# KiCad board Z3660_v022.kicad_pcb (continued)
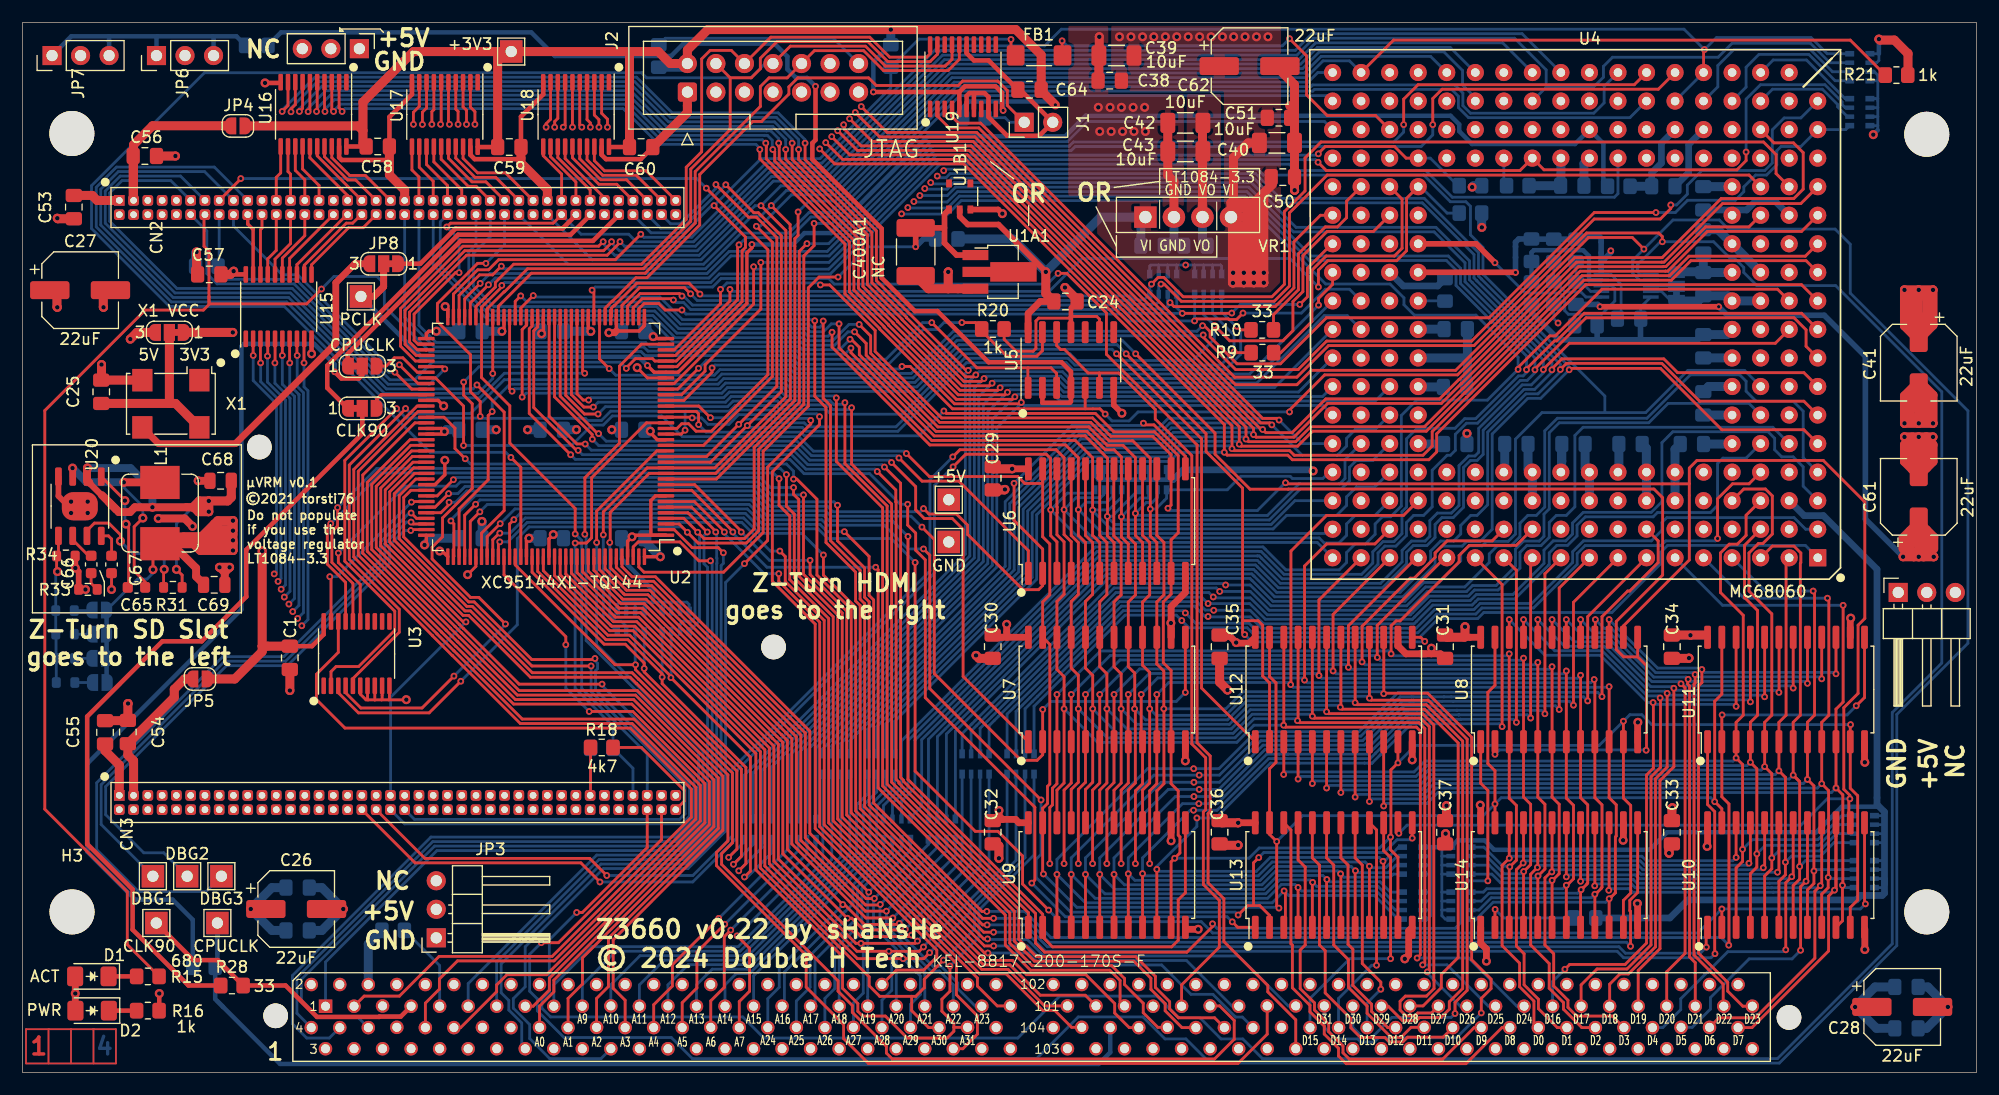
[diagram p0: board, top side]
## Routing (per net, layer and track width the routed paths; a pad name or vN(x,y) marks a point on that pad's centre or on a via; arc(x,y) is an arc through that point) (continued)
+5V: length 287.7
  Top w0.25: R31.2 14.21,44.27 v1(13.71,44.77)
  Top w0.4: 7.08,51.37 7.69,50.76
  Top w0.5: v1(91.08,71.24) 86.87,75.46 84.13,75.46 83.42,76.17 U1B1.2 ; v2(140.41,68.14) v2(150.98,68.14) ; 5.96,52.49 5.96,52.46 ; 7.05,51.37 7.08,51.37
  Top w0.55: 7.05,51.37 7.04,51.37 5.96,52.46 5.96,52.46
  Top w0.6: D1.2 4.7,8.54 v1(4.7,7.03) 4.7,5.52 D2.2 ; 86.61,22.55 86.64,22.53 87.24,22.53 ; C30.1 86.56,38.73 87.6,38.73 ; v1(86.92,23.32) 86.92,22.84 87.24,22.53 ; 129.79,38.73 128.83,38.73 128.82,38.73 128.35,38.73 ; U14.24 129.79,23.76 v1(129.75,23.8) ; 87.6,38.73 U7.24 ; 87.6,38.73 v1(87.6,39.88) ; 87.24,22.53 88.39,22.53 88.7,22.22 89.54,22.22 ; C29.1 86.43,53.85 86.43,53.72 89.54,53.72 ; C35.1 106.68,38.8 107.48,38.8 v1(108.03,38.26) 108.08,38.21 109.2,38.21 109.73,38.73 ; v1(108.2,22.22) 108.21,22.22 U13.24 ; 149.99,22.22 149.99,20.16 v1(149.95,20.12) ; U5.14 89.51,67.53 90.59,68.61 C24.1 ; 149.79,38.93 149.99,38.73
  Top w0.7: 5.96,52.49 5.74,52.71 5.74,53.83 ; 8.32,50.13 7.08,51.37 ; 8.32,50.13 7.69,50.76 ; 8.32,50.13 8.58,49.87 9.57,49.87 10,50.3 v1(11.57,50.3) 14.59,50.3 ; 14.59,50.3 15.19,50.3 15.63,49.86 16.54,49.86 v1(16.59,49.91) 16.19,50.3 14.59,50.3
  Top w0.8: 86.43,53.72 v1(88.09,53.72) ; 86.43,53.72 86.23,53.92 86.43,53.72 ; C40.1 109.09,82.72 107.78,81.41 107.78,77.6 107.57,77.39 ; 107.57,77.39 VR1.4 ; 107.57,77.39 109.6,77.39 ; VR1.4 108.46,77.01 108.71,77.01 ; VR1.4 108.84,76.12 ; VR1.4 108.33,75.36 108.33,71.55 v1(108.71,71.17) ; VR1.4 107.7,76.12 107.7,72.56 ; 109.6,70.66 v1(109.6,70.28) ; 109.6,70.66 v1(109.6,71.17) ; 109.6,70.66 110.11,71.17 ; v1(109.6,70.28) v1(110.49,70.28) 110.49,78.28 ; v1(109.6,70.28) v1(108.71,70.28) ; 169.42,46.15 169.48,46.21 169.48,48.28 ; C33.1 146.81,23.52 v1(146.85,23.56) ; 107.7,72.56 107.7,70.28 ; 107.7,72.56 107.7,70.29 v1(107.74,70.25) 107.76,70.28 v1(108.71,70.28) ; 169.23,45.89 169.48,46.15 ; 169.23,45.89 v1(170.12,45.89) ; 169.23,45.89 168.34,45.89 ; v1(108.71,71.17) 109.6,72.06 ; v1(108.71,71.17) v1(109.6,71.17) ; v1(108.71,71.17) v1(108.71,70.28) ; v1(108.71,71.17) v1(107.76,71.17) ; 108.97,76.75 108.71,77.01 ; 108.71,77.01 108.33,77.39 ; 109.86,71.8 109.86,77.64 ; 109.86,77.64 109.6,77.39 ; 109.86,77.64 111.23,79.02 111.23,79.68 ; 22.3,14.55 20.3,14.55 ; v1(108.71,70.28) v1(109.6,71.17) ; C68.1 18.59,51.19 18.26,50.86 v1(16.59,50.86) ; 108.97,71.42 108.97,77.26 108.84,77.39 ; v1(128.4,39.67) 128.4,38.79 128.35,38.73 126.81,38.73 C31.1 ; 168.15,46.4 168.02,46.53 168.02,48.21 ; 109.6,72.06 v1(110.49,71.17) v1(109.6,71.17) ; 109.6,72.06 109.6,77.39 ; 8.62,77.6 6.65,77.6 6.2,78.05 C53.1 ; v1(108.2,22.22) 108.2,22.22 106.75,22.22 106.55,22.42 C36.1 ; C24.1 91.08,69.33 v1(91.08,71.24) ; C55.1 7.35,28.63 8.62,27.36 CN3.1 ; 168.78,48.97 167.39,47.58 167.39,46.59 ; 168.78,48.97 v1(168.78,45.89) ; 168.78,48.97 170.12,47.64 170.12,46.59 ; 107.76,70.48 107.79,70.46 108.71,70.46 ; 15.19,50.3 15.75,50.86 v1(16.59,50.86) ; v1(16.59,50.86) v1(16.59,49.91) ; 168.34,45.89 v1(167.39,45.89) ; 168.34,45.89 168.02,46.21 ; 165.12,5.84 v1(163.12,5.84) ; C34.1 149.79,38.93 ; v1(107.76,71.17) 108.47,70.46 ; v1(107.76,71.17) 107.88,71.17 108.97,72.25 ; JP11.3 10.19,65.86 v1(9.6,65.26) ; 3.07,69.62 3.07,68.12 v1(3.1,68.09) ; 126.75,22.36 v1(126.75,23.74)
  Bottom w0.25: v1(16.59,50.86) 15.72,50.86 13.71,48.85 v1(13.71,44.77)
  Bottom w0.5: v2(150.98,68.14) 151.74,67.38 160.38,67.38 164.03,63.72 164.03,49.25 v1(167.39,45.89) ; R26.2 140.21,68.35 v2(140.41,68.14)
  Bottom w0.7: v1(11.57,50.3) 11.57,51.84 9.62,53.79 v1(5.8,53.79)
  Bottom w0.8: C13.1 22.2,16.45 20.3,14.55 22.2,12.64 C11.1 ; C14.1 165.02,3.93 v1(163.12,5.84) 164.9,7.62 C12.1 ; C52.1 99.55,75.72 VR1.1 95.96,76.12 v1(91.08,71.24) 88.15,74.17 R2.2
  vias: v1(20.32,14.55) v1(97.64,92.16) v1(98.67,92.16) v1(99.69,92.16) v1(100.7,92.16) v1(101.73,92.16) v1(102.74,92.16) v1(103.76,92.16) v1(104.77,92.16) v1(105.79,92.16) v1(106.81,92.16) v1(107.8,92.16) v1(108.82,92.16) v1(109.84,92.16) v1(110.86,92.16) v1(148.46,38.91)
GNDA: length 8.6
  Bottom w0.5: NT1.1 140.51,74.24 140.36,74.39 138.51,74.39 R25.1 R23.1 134.33,74.16 R24.1 133.18,74.17 132.89,73.88 NT3.1
040A0: length 41.5
  Top w0.25: U2.121 43.86,45.17 52.74,36.29 v2(54.57,36.29) 54.57,35.85 63.59,26.82 63.59,19.88 v2(62.85,19.15)
  Bottom w0.25: v2(54.57,36.29) 54.54,36.32 RN22.6 ; v2(62.85,19.15) 64.24,20.53 RN10.4
040A1: length 42.7
  Top w0.25: v2(63.28,18.53) 63.99,19.24 63.99,26.99 55.34,35.64 v2(55.34,35.95) 55.34,36.44 53.66,38.11 51.77,38.11 45.36,44.53 U2.124
  Bottom w0.25: v2(63.28,18.53) 65.04,20.28 RN10.3 ; RN22.5 v2(55.34,35.95)
040A2: length 44.8
  Top w0.25: v2(63.76,17.95) 64.39,18.58 64.39,27.15 56.94,34.61 v2(56.94,35.18) 56.94,35.46 53.89,38.51 51.93,38.51 45.86,44.59 U2.125
  Bottom w0.25: RN21.8 v2(56.94,35.18) ; RN10.2 65.84,20.03 v2(63.76,17.95)
040A3: length 46.1
  Top w0.25: U2.126 46.36,44.66 52.1,38.91 54.05,38.91 57.72,35.25 v2(57.72,35.13) 64.79,28.06 64.79,17.92 v2(64.26,17.39)
  Bottom w0.25: RN21.7 57.74,35.16 v2(57.72,35.13) ; v2(64.26,17.39) 64.53,17.39 66.64,19.51 RN10.1
040A4: length 21.8
  Top w0.25: v2(61.97,13.72) 57.85,9.59 57.85,7.69 56.19,6.03 56.19,4 CN1.52
  Bottom w0.25: v2(61.97,13.72) 68.24,19.98 RN9.4
040A5: length 21
  Top w0.25: CN1.56 58.72,6.21 60.03,7.52 60.03,10.72 v2(62.51,13.2)
  Bottom w0.25: RN9.3 69.04,19.72 v2(62.51,13.2)
040A6: length 20.3
  Top w0.25: v2(63.04,12.67) 62.47,12.09 62.47,7.58 61.26,6.37 CN1.60
  Bottom w0.25: v2(63.04,12.67) 69.84,19.46 RN9.2
040A7: length 20.5
  Top w0.25: CN1.64 63.8,6.32 64.72,7.23 64.72,11.04 v2(63.6,12.16)
  Bottom w0.25: RN9.1 70.64,19.2 v2(63.6,12.16)
040A8: length 38.2
  Bottom w0.25: RN8.4 71.24,18.73 63.71,11.2 50.69,11.2 47.3,7.8 47.3,5.91 CN1.33
040A9: length 36.3
  Bottom w0.25: RN8.3 72.04,18.96 63.87,10.8 52.83,10.8 49.83,7.8 CN1.37
040A10: length 34.4
  Bottom w0.25: RN8.2 72.84,19.2 64.04,10.4 54.97,10.4 52.37,7.8 CN1.41
040A11: length 32.6
  Bottom w0.25: RN8.1 73.64,19.43 64.2,10 57.11,10 54.91,7.8 CN1.45
040A12: length 31
  Bottom w0.25: CN1.49 57.45,7.8 59.25,9.6 64.37,9.6 74.24,19.46 74.24,23.81 75.24,24.81 RN7.4
040A13: length 29.1
  Bottom w0.25: CN1.53 59.99,7.8 61.39,9.2 64.53,9.2 74.84,19.5 74.84,23.77 76.04,24.97 RN7.3
040A14: length 27.3
  Bottom w0.25: RN7.2 76.84,25.16 75.44,23.76 75.44,19.53 64.7,8.8 63.53,8.8 62.53,7.8 CN1.57
040A15: length 25.9
  Bottom w0.25: RN7.1 77.64,25.32 76.04,23.72 76.04,19.57 65.08,8.61 65.08,5.9
040A16: length 18.6
  Bottom w0.25: CN1.65 67.82,6.11 67.82,8.94 73.18,14.31 73.21,14.31 73.91,15.01 73.91,16.7 76.64,19.42 RN6.4
040A17: length 17.9
  Bottom w0.25: RN6.3 77.44,19.65 74.31,16.53 74.31,13.78 70.55,10.01 70.55,6.3 CN1.69
040A18: length 17.2
  Bottom w0.25: RN6.2 78.24,19.89 74.71,16.37 74.71,12.5 72.7,10.49 72.7,5.91 CN1.73
040A19: length 56.6
  Top w0.25: U2.140 53.36,45.02 54.26,44.12 56.34,44.11 70.08,30.37 70.08,21.3 v2(75.33,16.05)
  Bottom w0.25: RN6.1 79.04,19.77 75.33,16.06 v2(75.33,16.05) 75.24,15.96 75.24,6.75 75.23,6.75 CN1.77
040A20: length 59.3
  Top w0.25: v2(75.82,15.49) 75.81,15.47 75.09,15.47 69.68,20.88 69.68,30.21 69.15,30.73 56.17,43.71 54.1,43.72 54,43.82 52.86,44.95 U2.139
  Bottom w0.25: CN1.81 77.78,5.91 77.78,10.99 75.74,13.03 75.74,15.41 v2(75.82,15.49) 80.64,20.3 RN5.4
040A21: length 61.6
  Top w0.25: U2.138 52.36,44.89 53.93,43.31 56.01,43.31 69.28,30.04 69.28,20.67 75.05,14.91 76.3,14.91 v2(76.35,14.96)
  Bottom w0.25: CN1.85 80.32,5.91 80.32,9.02 76.32,13.01 76.32,14.92 v2(76.35,14.96) 81.44,20.04 RN5.3
040A22: length 64.2
  Top w0.25: U2.137 51.86,44.82 53.77,42.92 55.84,42.91 68.88,29.88 68.88,20.51 75.03,14.36 v2(76.89,14.36)
  Bottom w0.25: RN5.2 82.24,19.7 v2(76.89,14.36) 76.89,13 80.87,9.03 81.62,9.03 82.85,7.8 82.85,5.91 CN1.89
040A23: length 66.8
  Top w0.25: v2(77.47,13.75) 75.07,13.75 68.48,20.34 68.48,29.71 67.95,30.24 55.67,42.51 53.6,42.52 53.5,42.62 51.36,44.76 U2.136
  Bottom w0.25: CN1.93 84.81,5.9 83.25,7.47 83.25,7.97 81.78,9.43 81.06,9.43 77.47,13.03 v2(77.47,13.75) 83.04,19.32 RN5.1
040A24: length 76.5
  Top w0.25: U2.135 50.86,44.69 53.43,42.12 55.51,42.11 68.08,29.55 68.08,19.88 v2(73.02,14.94) 73.17,14.94 74.94,13.18 77.95,13.18 v2(78.05,13.27)
  Bottom w0.25: CN1.68 66.34,6.57 67.36,7.59 67.36,9.29 v2(73.02,14.94) ; v2(78.05,13.27) 83.64,18.86 RN4.4
040A25: length 76.4
  Top w0.25: v2(78.57,12.73) 78.53,12.69 74.86,12.69 73.82,13.73 v2(73.42,13.73) 73.41,13.73 67.68,19.47 67.68,29.38 67.15,29.91 55.34,41.71 53.27,41.72 53.17,41.82 50.36,44.62 U2.134
  Bottom w0.25: CN1.72 68.88,6.37 70.1,7.59 70.1,10.41 v2(73.42,13.73) ; v2(78.57,12.73) 84.44,18.6 RN4.3
040A26: length 76.7
  Top w0.25: v2(79.13,12.23) 78.99,12.09 74.64,12.09 v2(74.04,12.69) 73.58,12.69 67.28,19 67.28,29.21 66.75,29.74 55.18,41.31 53.1,41.31 53,41.42 49.86,44.56 U2.133
  Bottom w0.25: RN4.2 85.24,18.34 v2(79.13,12.23) ; CN1.76 71.42,6.59 72.3,7.47 72.3,10.95 v2(74.04,12.69)
040A27: length 76.9
  Top w0.25: v2(79.66,11.7) 79.46,11.5 v2(74.63,11.5) 74.17,11.5 66.88,18.79 66.88,29.05 66.35,29.58 55.01,40.91 52.94,40.91 52.84,41.02 49.36,44.49 U2.132
  Bottom w0.25: RN4.1 86.04,18.08 v2(79.66,11.7) ; CN1.80 73.96,6.19 74.84,7.06 74.84,11.29 v2(74.63,11.5)
040A28: length 78.7
  Top w0.25: U2.131 48.86,44.43 52.77,40.51 54.85,40.51 66.48,28.88 66.48,18.58 74.27,10.79 v2(77.11,10.79) 79.81,10.79 v2(80.19,11.17)
  Bottom w0.25: v2(80.19,11.17) 80.19,11.21 87.64,18.66 RN3.4 ; v2(77.11,10.79) 77.38,10.53 77.38,7.32 76.5,6.44 CN1.84
040A29: length 80.6
  Top w0.25: U2.130 48.36,44.36 52.61,40.11 54.68,40.11 66.08,28.72 66.08,18.37 74.32,10.13 v2(78.38,10.13) 80.21,10.13 v2(80.75,10.66)
  Bottom w0.25: RN3.3 88.44,18.89 84.34,14.79 84.34,14.25 v2(80.75,10.66) ; CN1.88 79.04,6.07 79.92,6.94 79.92,8.6 v2(78.38,10.13)
040A30: length 83.5
  Top w0.25: 79.15,6.78 79.15,5.51 80.66,4 CN1.92 ; 79.15,6.78 76.3,6.78 75.36,7.72 75.36,8.52 65.68,18.2 65.68,28.55 54.51,39.71 52.44,39.71 52.34,39.82 52.33,39.82 47.86,44.29 U2.129 ; 79.15,6.78 79.51,6.78 80.26,7.54 80.26,8.29 v2(81.98,10.01)
  Bottom w0.25: v2(81.98,10.01) 84.74,12.77 84.74,14.62 89.24,19.12 RN3.2
040A31: length 90.6
  Top w0.25: U2.128 47.36,44.22 52.27,39.31 54.35,39.31 65.28,28.39 65.28,18.04 72.99,10.32 72.99,7.5 74.36,6.13 74.36,5.45 74.78,5.03 76.8,5.03 78.76,3.07 82.3,3.07 82.9,3.67 82.9,4.01 ; 82.9,4.01 82.9,4.39 81.84,5.46 81.84,6.52 82.55,7.24 v2(82.55,9.47) ; 82.9,4.01 82.91,4.02 CN1.96
  Bottom w0.25: RN3.1 90.04,19.36 85.14,14.46 85.14,12.06 v2(82.55,9.47)
060A0: length 165.4
  Top w0.25: v2(84.19,62.48) 83.99,62.48 76,70.47 76,74.89 69.66,81.24 v2(69.66,82.7) ; v2(115.36,68.29) 115.36,68.88 116.61,70.13 U4.102 ; U16.9 23.63,86.04 v2(23.11,85.52)
  Bottom w0.25: v2(23.11,85.52) 23.11,85.64 26.04,88.57 54.66,88.57 57.83,85.39 67.27,85.39 69.66,83.01 v2(69.66,82.7) ; v2(115.36,68.29) 109.23,62.16 93.34,62.16 92.74,62.76 84.46,62.76 v2(84.19,62.48) 83.92,62.22 83.92,46.13 64.24,26.45 RN10.5
060A1: length 162.4
  Top w0.25: v2(84.85,62.08) 84.68,61.91 83.95,61.91 78.7,67.16 78.7,67.19 75.6,70.29 75.6,74.73 69.08,81.25 v2(69.08,82.14) ; v2(23.9,85.49) 23.9,85.74 24.28,86.12 U16.8
  Bottom w0.25: RN10.6 65.04,26.68 84.32,45.97 84.32,61.55 v2(84.85,62.08) 85.13,62.36 92.57,62.36 93.18,61.76 109.7,61.76 U4.96 ; v2(23.9,85.49) 23.9,85.82 26.25,88.17 54.49,88.17 57.67,84.99 67.1,84.99 69.08,83.02 69.08,82.46 69.11,82.44 69.11,82.16 v2(69.08,82.14)
060A2: length 163.7
  Top w0.25: v2(85.59,61.75) 85.34,61.5 83.78,61.5 78.3,66.99 78.3,67.03 75.2,70.12 75.2,74.56 68.51,81.26 v2(68.51,82.7) ; v2(24.65,85.52) 24.93,85.8 U16.7
  Bottom w0.25: v2(68.51,82.7) 68.51,83.03 66.94,84.59 57.5,84.59 54.33,87.77 26.66,87.77 24.65,85.76 v2(24.65,85.52) ; U4.89 117.92,67.36 115.87,67.36 109.87,61.36 93.01,61.36 92.41,61.96 85.79,61.96 v2(85.59,61.75) 84.72,60.89 84.72,45.8 65.84,26.92 RN10.7
060A3: length 158.9
  Top w0.25: v2(25.42,85.5) 25.58,85.66 U16.6 ; v2(67.93,82.14) 67.93,81.27 69.73,79.47 74.8,74.39 74.8,69.95 77.9,66.86 77.9,66.83 83.62,61.1 86.07,61.1 v2(86.3,61.34)
  Bottom w0.25: U4.90 111.44,60.96 92.85,60.96 92.24,61.56 86.52,61.56 v2(86.3,61.34) 85.12,60.16 85.12,45.64 66.64,27.15 RN10.8 ; v2(25.42,85.5) 25.42,85.8 27,87.37 54.13,87.37 57.3,84.19 66.77,84.19 67.94,83.02 67.94,82.95 67.93,82.94 v2(67.93,82.14)
060A4: length 156.2
  Top w0.25: v2(67.31,82.7) 67.31,82.42 67.36,82.37 67.36,81.27 69.55,79.08 69.66,78.97 74.4,74.23 74.4,69.79 77.5,66.7 77.5,66.66 83.45,60.7 86.79,60.7 v2(87.02,60.93) ; v2(26.17,85.52) 26.23,85.58 U16.5
  Bottom w0.25: RN9.5 68.24,28.18 85.52,45.47 85.52,59.44 v2(87.02,60.93) 87.24,61.16 92.08,61.16 92.68,60.56 113.58,60.56 U4.84 ; v2(67.31,82.7) 67.31,83.09 66.61,83.79 66.22,83.79 66.22,83.79 57.14,83.79 53.96,86.97 27.4,86.97 26.17,85.74 v2(26.17,85.52)
060A5: length 153.8
  Top w0.25: v2(87.67,60.53) 87.45,60.3 83.29,60.3 77.1,66.5 77.1,66.53 74,69.62 74,74.06 69.26,78.8 66.96,81.11 66.96,81.96 v2(66.78,82.14) ; 26.88,88.13 26.88,85.56 v2(26.92,85.52)
  Bottom w0.25: v2(66.78,82.14) 66.74,82.18 66.74,82.96 66.3,83.39 66.06,83.39 66.05,83.4 56.97,83.4 53.8,86.57 27.78,86.57 26.92,85.72 v2(26.92,85.52) ; U4.78 115.72,60.16 92.52,60.16 91.91,60.76 87.9,60.76 v2(87.67,60.53) 85.92,58.78 85.92,45.3 69.04,28.42 RN9.6
060A6: length 157.5
  Top w0.25: U16.3 27.53,85.67 v2(27.69,85.52) ; v2(88.33,60.13) 88.1,59.9 83.12,59.9 76.7,66.33 76.7,66.37 73.6,69.46 73.6,73.9 69.33,78.17 66.21,81.29 66.21,82.37 66.22,82.39 66.22,82.64 v2(66.16,82.7)
  Bottom w0.25: RN9.7 69.84,28.65 86.32,45.14 86.32,58.12 v2(88.33,60.13) 88.56,60.36 91.75,60.36 92.35,59.76 120.4,59.76 121.69,61.04 ; v2(66.16,82.7) 65.87,83 56.81,83 53.63,86.17 28.29,86.17 27.69,85.57 v2(27.69,85.52)
060A7: length 150.2
  Top w0.25: v2(65.63,82.14) 65.63,81.3 68.46,78.47 73.2,73.73 73.2,69.29 76.3,66.2 76.3,66.17 82.96,59.5 88.78,59.5 v2(88.91,59.63) ; v2(28.45,85.52) 28.45,85.57 28.18,85.83 U16.2
  Bottom w0.25: U4.72 115.76,59.36 89.18,59.36 v2(88.91,59.63) 88.91,59.55 86.72,57.37 86.72,44.97 70.64,28.89 RN9.8 ; v2(65.63,82.14) 65.63,82.24 65.28,82.6 56.64,82.6 53.47,85.77 28.7,85.77 v2(28.45,85.52)
060A8: length 156.8
  Top w0.25: U17.9 35.32,85.96 34.8,85.44 v2(34.8,84.37) ; v2(111.85,58.06) 111.7,58.2 110.39,58.2 84.94,83.66 76.96,83.66 v2(74.66,85.96)
  In2.Cu w0.25: v2(34.8,84.37) 37.98,87.55 53.59,87.55 55.06,86.08 74.54,86.08 v2(74.66,85.96)
  Bottom w0.25: RN8.5 71.24,28.81 87.47,45.05 87.47,50.79 93.86,57.18 100.95,57.18 101.99,58.22 111.68,58.22 v2(111.85,58.06) 113.94,55.96 U4.66
060A9: length 161.6
  Top w0.25: v2(35.6,84.36) 35.6,85.45 35.97,85.82 U17.8 ; v2(111.2,57.63) 111.02,57.81 110.22,57.81 84.77,83.25 76.3,83.25 v2(74.13,85.43)
  In2.Cu w0.25: v2(74.13,85.43) 73.88,85.68 54.9,85.68 53.42,87.15 38.39,87.15 v2(35.6,84.36)
  Bottom w0.25: 121.69,58.5 120.38,57.2 118.62,57.2 117.86,56.43 117.86,55.74 117.04,54.93 113.9,54.93 v2(111.2,57.63) 111.03,57.8 102.13,57.8 101.11,56.78 94.02,56.78 87.87,50.63 87.87,44.88 72.04,29.05 RN8.6
060A10: length 203.1
  Top w0.25: U4.115 158.29,77.32 151.32,77.32 146.11,72.11 145.9,72.11 145.9,72.11 138.32,72.11 127.89,61.68 127.87,61.68 126.13,59.94 116,59.94 113,56.94 110.67,56.94 v2(110.38,57.22) 110.24,57.22 84.6,82.86 75.64,82.86 v2(73.62,84.87) ; U17.7 36.62,85.68 36.44,85.5 v2(36.44,84.38)
  In2.Cu w0.25: v2(73.62,84.87) 73.22,85.28 54.73,85.28 53.26,86.75 39.21,86.75 39.21,86.75 38.77,86.75 36.44,84.42 v2(36.44,84.38)
  Bottom w0.25: RN8.7 72.84,29.28 88.27,44.72 88.27,50.46 94.19,56.38 101.28,56.38 102.26,57.36 110.24,57.36 v2(110.38,57.22)
060A11: length 195.5
  Top w0.25: 73.04,84.27 73.18,84.13 73.18,83.92 ; U4.111 153.67,75.25 149.81,75.25 146.27,71.71 146.07,71.71 146.06,71.71 138.48,71.71 128.06,61.28 128.03,61.28 126.29,59.54 116.17,59.54 113.16,56.54 109.8,56.54 v2(109.57,56.77) 109.57,57.32 84.44,82.46 74.64,82.46 73.18,83.92 ; v2(37.21,84.37) 37.27,84.43 37.27,88.11 ; 73.18,83.92 73.18,84.25 v2(73.09,84.34)
  In2.Cu w0.25: v2(73.09,84.34) 72.55,84.88 54.57,84.88 53.09,86.35 39.37,86.35 39.37,86.35 39.17,86.35 37.21,84.39 v2(37.21,84.37)
  Bottom w0.25: v2(109.57,56.77) 109.37,56.96 102.43,56.96 101.44,55.98 94.35,55.98 88.67,50.3 88.67,44.55 73.64,29.52 RN8.8
060A12: length 197.6
  Top w0.25: v2(38,84.37) 37.92,84.46 U17.5 ; v2(72.56,83.81) 74.31,82.06 84.27,82.06 108.9,57.42 v2(108.9,56.36) 109.13,56.14 113.33,56.14 114.66,57.47 124.79,57.47 128.2,60.88 128.22,60.88 138.65,71.31 146.23,71.31 146.23,71.31 146.44,71.31 149.98,74.85 158.35,74.85 U4.109
  In2.Cu w0.25: v2(72.56,83.81) 71.89,84.48 54.4,84.48 52.93,85.95 39.54,85.95 38,84.42 v2(38,84.37)
  Bottom w0.25: v2(108.9,56.36) 108.7,56.56 102.6,56.56 101.61,55.58 94.52,55.58 89.07,50.13 89.07,44.39 75.24,30.55 RN7.5
060A13: length 194.9
  Top w0.25: v2(38.77,84.37) 38.77,85.52 38.57,85.73 38.57,88.11 ; v2(72.03,83.28) 73.65,81.66 84.11,81.66 108.3,57.46 v2(108.3,55.91) 108.48,55.74 113.5,55.74 114.83,57.07 124.95,57.07 128.37,60.48 128.39,60.48 138.81,70.91 146.6,70.91 148.33,72.64 158.69,72.64 U4.103
  In2.Cu w0.25: v2(72.03,83.28) 71.23,84.08 54.24,84.08 52.76,85.55 39.72,85.55 38.77,84.61 v2(38.77,84.37)
  Bottom w0.25: v2(108.3,55.91) 108.05,56.16 102.76,56.16 101.77,55.18 94.68,55.18 89.47,49.96 89.47,44.22 76.04,30.79 RN7.6
060A14: length 193.9
  Top w0.25: U17.3 39.22,85.92 39.52,85.62 v2(39.52,84.37) ; v2(71.5,82.75) 72.99,81.25 83.94,81.25 107.66,57.54 v2(107.66,55.51) 107.83,55.34 112.79,55.34 113.2,54.93 124.66,54.93 125.48,55.74 125.48,57.03 128.53,60.08 128.56,60.08 138.98,70.5 146.76,70.5 148.5,72.24 158.75,72.24 U4.97
  In2.Cu w0.25: v2(39.52,84.37) 39.52,84.65 40.02,85.15 52.59,85.15 54.07,83.68 70.57,83.68 v2(71.5,82.75)
  Bottom w0.25: RN7.7 76.84,31.02 89.87,44.06 89.87,49.8 94.85,54.78 101.94,54.78 102.93,55.76 107.4,55.76 v2(107.66,55.51)
060A15: length 191.1
  Top w0.25: U4.91 158.35,70.11 139.15,70.11 125.88,56.84 125.88,55.23 125.18,54.53 113.03,54.53 112.62,54.94 107.23,54.94 v2(106.97,55.19) 106.97,57.66 83.78,80.86 72.29,80.86 v2(70.96,82.19) ; v2(40.27,84.37) 40.27,85.5 39.87,85.91 U17.2
  In2.Cu w0.25: v2(70.96,82.19) 70.96,82.33 70.01,83.28 53.9,83.28 52.43,84.75 40.65,84.75 v2(40.27,84.37)
  Bottom w0.25: RN7.8 77.64,31.26 90.27,43.89 90.27,49.63 95.02,54.38 102.11,54.38 102.92,55.19 v2(106.97,55.19)
060A16: length 212.9
  Top w0.25: U4.92 156.21,69.71 140.59,69.71 136.44,65.55 135.93,65.55 133.12,62.74 v2(133.12,62.57) ; U18.9 47,84.82 46.61,84.43 v2(46.61,84.12)
  In2.Cu w0.25: v2(46.61,84.12) 46.61,83.99 50.67,79.94 63.04,79.94 64.21,78.76 75.9,78.76 v2(78.25,76.41)
  Bottom w0.25: RN6.5 76.64,23.76 78.24,25.36 78.24,29.51 95.49,46.77 110.41,46.77 112.45,44.73 117.2,44.73 117.86,45.39 117.86,46.27 118.62,47.04 119.53,47.04 120.4,47.9 120.4,48.81 121.03,49.45 121.77,49.45 122.73,50.41 122.73,58.47 124.09,59.83 130.39,59.83 v2(133.12,62.57) 133.12,63.65 129.37,67.4 123.89,67.4 122.96,68.32 122.96,68.93 121.72,70.17 116,70.17 108.58,77.59 83.56,77.59 82.36,76.39 78.27,76.39 v2(78.25,76.41)
060A17: length 214.1
  Top w0.25: 47.65,88.11 47.65,84.91 47.37,84.63 v2(47.37,84.12) ; v2(133.87,62.54) 133.87,62.62 136.35,65.1 136.55,65.1 139.01,67.56 158.35,67.56 U4.85
  In2.Cu w0.25: v2(47.37,84.12) 47.37,83.99 51.03,80.34 63.2,80.34 64.38,79.16 76.61,79.16 78.8,76.97 v2(78.8,76.96)
  Bottom w0.25: RN6.6 77.44,23.95 78.84,25.36 78.84,29.55 95.66,46.37 110.08,46.37 110.25,46.37 112.29,44.33 119.19,44.33 120.19,45.33 120.19,46.33 121.1,47.24 122.08,47.24 122.78,47.95 122.78,49.9 123.19,50.31 123.19,56.39 124.13,57.33 127.51,57.33 128.36,58.18 129.35,58.18 133.16,61.99 133.57,61.99 133.87,62.29 v2(133.87,62.54) 133.87,63.76 127.6,70.04 127.6,71.4 126.74,72.26 114.54,72.26 108.82,77.99 83.39,77.99 82.34,76.93 78.84,76.93 v2(78.8,76.96)
060A18: length 213.3
  Top w0.25: U4.79 158.75,64.62 158.75,66.09 157.68,67.16 139.17,67.16 134.62,62.61 v2(134.62,62.53) ; v2(48.13,84.12) 48.3,84.29 U18.7
  In2.Cu w0.25: v2(48.13,84.12) 51.5,80.75 63.1,80.75 63.11,80.74 63.37,80.74 64.54,79.56 77.29,79.56 v2(79.34,77.51)
  Bottom w0.25: v2(79.34,77.51) 79.39,77.46 82.3,77.46 83.23,78.39 108.98,78.39 114.71,72.66 126.91,72.66 128,71.57 128,70.2 134.62,63.58 v2(134.62,62.53) 134.62,62.28 133.93,61.59 133.32,61.59 129.51,57.78 128.53,57.78 127.54,56.79 127.54,55.36 127.1,54.93 126.81,54.93 125.48,53.6 125.48,50.34 124.71,49.58 123.83,49.58 123.18,48.93 123.18,47.78 122.24,46.84 121.26,46.84 120.65,46.23 120.65,45.23 119.35,43.93 112.12,43.93 110.08,45.97 95.82,45.97 79.44,29.58 79.44,25.36 78.24,24.16 RN6.7
060A19: length 207.9
  Top w0.25: v2(48.96,84.12) 48.95,84.13 U18.6 ; U4.86 156.02,64.89 137.68,64.89 135.37,62.58 v2(135.37,62.54)
  In2.Cu w0.25: v2(79.87,78.04) 77.95,79.96 64.71,79.96 63.53,81.14 63.28,81.14 63.27,81.15 51.93,81.15 v2(48.96,84.12)
  Bottom w0.25: RN6.8 79.04,22.7 80.04,23.7 80.04,29.62 95.99,45.57 109.92,45.57 111.96,43.53 120.88,43.53 122.79,45.44 122.79,46.46 123.63,47.29 124.84,47.29 125.27,47.72 125.27,49.11 125.94,49.78 127.18,49.78 127.86,50.47 127.86,54.01 128.72,54.86 129.28,54.86 129.61,55.19 129.61,57.32 133.49,61.19 134.3,61.19 135.37,62.27 v2(135.37,62.54) 135.37,63.39 128.4,70.37 128.4,72.05 125.65,74.8 113.13,74.8 109.15,78.79 83.06,78.79 82.31,78.04 v2(79.87,78.04)
060A20: length 209
  Top w0.25: U4.73 158.56,62.28 147.32,62.28 146.09,63.5 137.02,63.5 136.13,62.62 v2(136.13,62.53) ; 49.6,88.11 49.6,84.3 v2(49.78,84.12)
  In2.Cu w0.25: v2(80.31,78.66) 78.61,80.36 64.87,80.36 63.67,81.56 52.22,81.56 49.78,83.99 v2(49.78,84.12)
  Bottom w0.25: v2(80.31,78.66) 80.36,78.61 82.32,78.61 82.9,79.19 109.38,79.19 113.36,75.2 125.81,75.2 128.8,72.22 128.8,70.54 129.05,70.29 129.05,70.28 136.13,63.2 v2(136.13,62.53) 136.13,62.33 134.59,60.79 133.65,60.79 130.01,57.15 130.01,55.01 129.47,54.46 128.88,54.46 128.26,53.84 128.26,50.3 127.35,49.38 126.34,49.38 125.73,48.77 125.73,47.61 125.01,46.89 123.79,46.89 123.19,46.29 123.19,45.28 121.05,43.13 111.79,43.13 109.75,45.17 96.16,45.17 80.64,29.65 RN5.5
060A21: length 209.3
  Top w0.25: v2(50.55,84.12) 50.55,84.5 50.25,84.8 U18.4 ; v2(136.88,62.56) 137.43,63.1 145.91,63.1 149.28,59.74 158.56,59.74 U4.67
  In2.Cu w0.25: v2(80.84,79.19) 79.27,80.76 65.04,80.76 63.84,81.96 52.65,81.96 50.55,84.06 v2(50.55,84.12)
  Bottom w0.25: v2(80.84,79.19) 80.96,79.07 82.21,79.07 82.73,79.59 109.6,79.59 111.79,77.39 124.59,77.39 129.2,72.78 129.2,70.71 129.45,70.45 129.45,70.44 136.88,63.01 v2(136.88,62.56) 136.88,62.38 134.89,60.39 133.82,60.39 130.41,56.99 130.41,50.52 129.47,49.58 128.91,49.58 128.02,48.69 128.02,47.92 127.38,47.29 126.23,47.29 125.33,46.4 125.33,45.44 122.62,42.73 111.63,42.73 109.59,44.77 96.32,44.77 81.44,29.88 RN5.6
060A22: length 210
  Top w0.25: U18.3 50.9,85.2 51.31,84.79 v2(51.31,84.12) ; v2(137.67,62.53) 137.8,62.66 145.8,62.66 151.26,57.2 158.56,57.2 U4.61
  In2.Cu w0.25: 51.31,83.97 v2(51.31,84.12) 51.31,83.99 52.93,82.37 63.99,82.37 65.21,81.16 80.03,81.16 v2(81.42,79.77)
  Bottom w0.25: RN5.7 82.24,30.12 96.49,44.37 109.42,44.37 111.46,42.33 122.88,42.33 125.73,45.19 125.73,46.23 126.34,46.84 128.14,46.84 128.57,47.26 129.75,47.26 130.81,48.33 130.81,56.82 133.99,59.99 135.13,59.99 v2(137.67,62.53) 137.67,62.79 129.85,70.61 129.85,70.62 129.6,70.87 129.6,72.96 124.77,77.79 111.96,77.79 109.76,79.99 82.57,79.99 82.2,79.62 81.57,79.62 v2(81.42,79.77)
060A23: length 207.7
  Top w0.25: v2(52.07,84.12) 52.07,84.83 51.55,85.35 U18.2
  In2.Cu w0.25: v2(52.07,84.12) 53.42,82.77 64.16,82.77 65.37,81.56 80.69,81.56 v2(81.99,80.25)
  Bottom w0.25: v2(81.99,80.25) 82.12,80.39 109.93,80.39 110.45,79.86 124.72,79.86 127.1,77.49 128.48,77.49 128.88,77.08 128.88,74.54 130,73.43 130,71.04 140.84,60.19 140.84,58.72 140.84,58.72 ; RN5.8 83.04,30.35 96.65,43.97 109.26,43.97 111.29,41.93 123.04,41.93 124.72,43.61 126.09,43.61 128.02,45.53 128.02,46.15 128.73,46.86 129.91,46.86 130.31,47.26 132.24,47.26 132.89,47.91 132.89,56.36 135.25,58.72 140.84,58.72 ; 140.84,58.72 144.48,58.72 148.23,62.48 153.27,62.48 U4.75
060A24: length 211.4
  Top w0.25: U15.2 20.53,63.82 v2(20.54,63.81)
  In2.Cu w0.25: v2(22.41,44.37) 23.38,44.37 24.2,43.55 106.93,43.55 v2(107.09,43.38)
  Bottom w0.25: v2(20.54,63.81) 20.54,61.57 22.61,59.51 22.61,44.57 v2(22.41,44.37) ; RN4.5 83.64,30.15 97,43.51 106.96,43.51 v2(107.09,43.38) 109.27,43.38 111.13,41.53 123.21,41.53 124.88,43.21 128.38,43.21 130.56,45.39 130.56,46.15 131.27,46.86 132.47,46.86 133.29,47.68 133.29,48.88 133.99,49.58 134.75,49.58 135.49,50.32 135.49,57.1 136.62,58.22 144.59,58.22 148.45,62.08 152.85,62.08 153.42,61.51 153.42,60.63 154.32,59.72 157.62,59.72 158.5,58.85 158.5,54.72 U4.55
060A25: length 199.1
  Top w0.25: v2(21.2,63.15) 21.18,63.17 U15.3
  In2.Cu w0.25: v2(106.56,42.81) 106.22,43.15 24.03,43.15 23.48,43.7 v2(22.75,43.7)
  Bottom w0.25: U4.69 153.67,59.54 146.48,59.54 144.75,57.82 136.78,57.82 135.89,56.93 135.89,50.16 135.43,49.69 135.43,47.72 135,47.29 133.6,47.29 132.89,46.57 132.89,45.05 131.17,43.34 129.07,43.34 128.53,42.79 125.04,42.79 123.37,41.13 110.96,41.13 109.28,42.81 v2(106.56,42.81) 106.26,43.11 97.16,43.11 84.44,30.39 RN4.6 ; v2(22.75,43.7) 23.01,43.96 23.01,59.62 23.01,59.62 23.01,59.67 21.2,61.48 v2(21.2,63.15)